# KiCad board C1581i.kicad_pcb (continued)
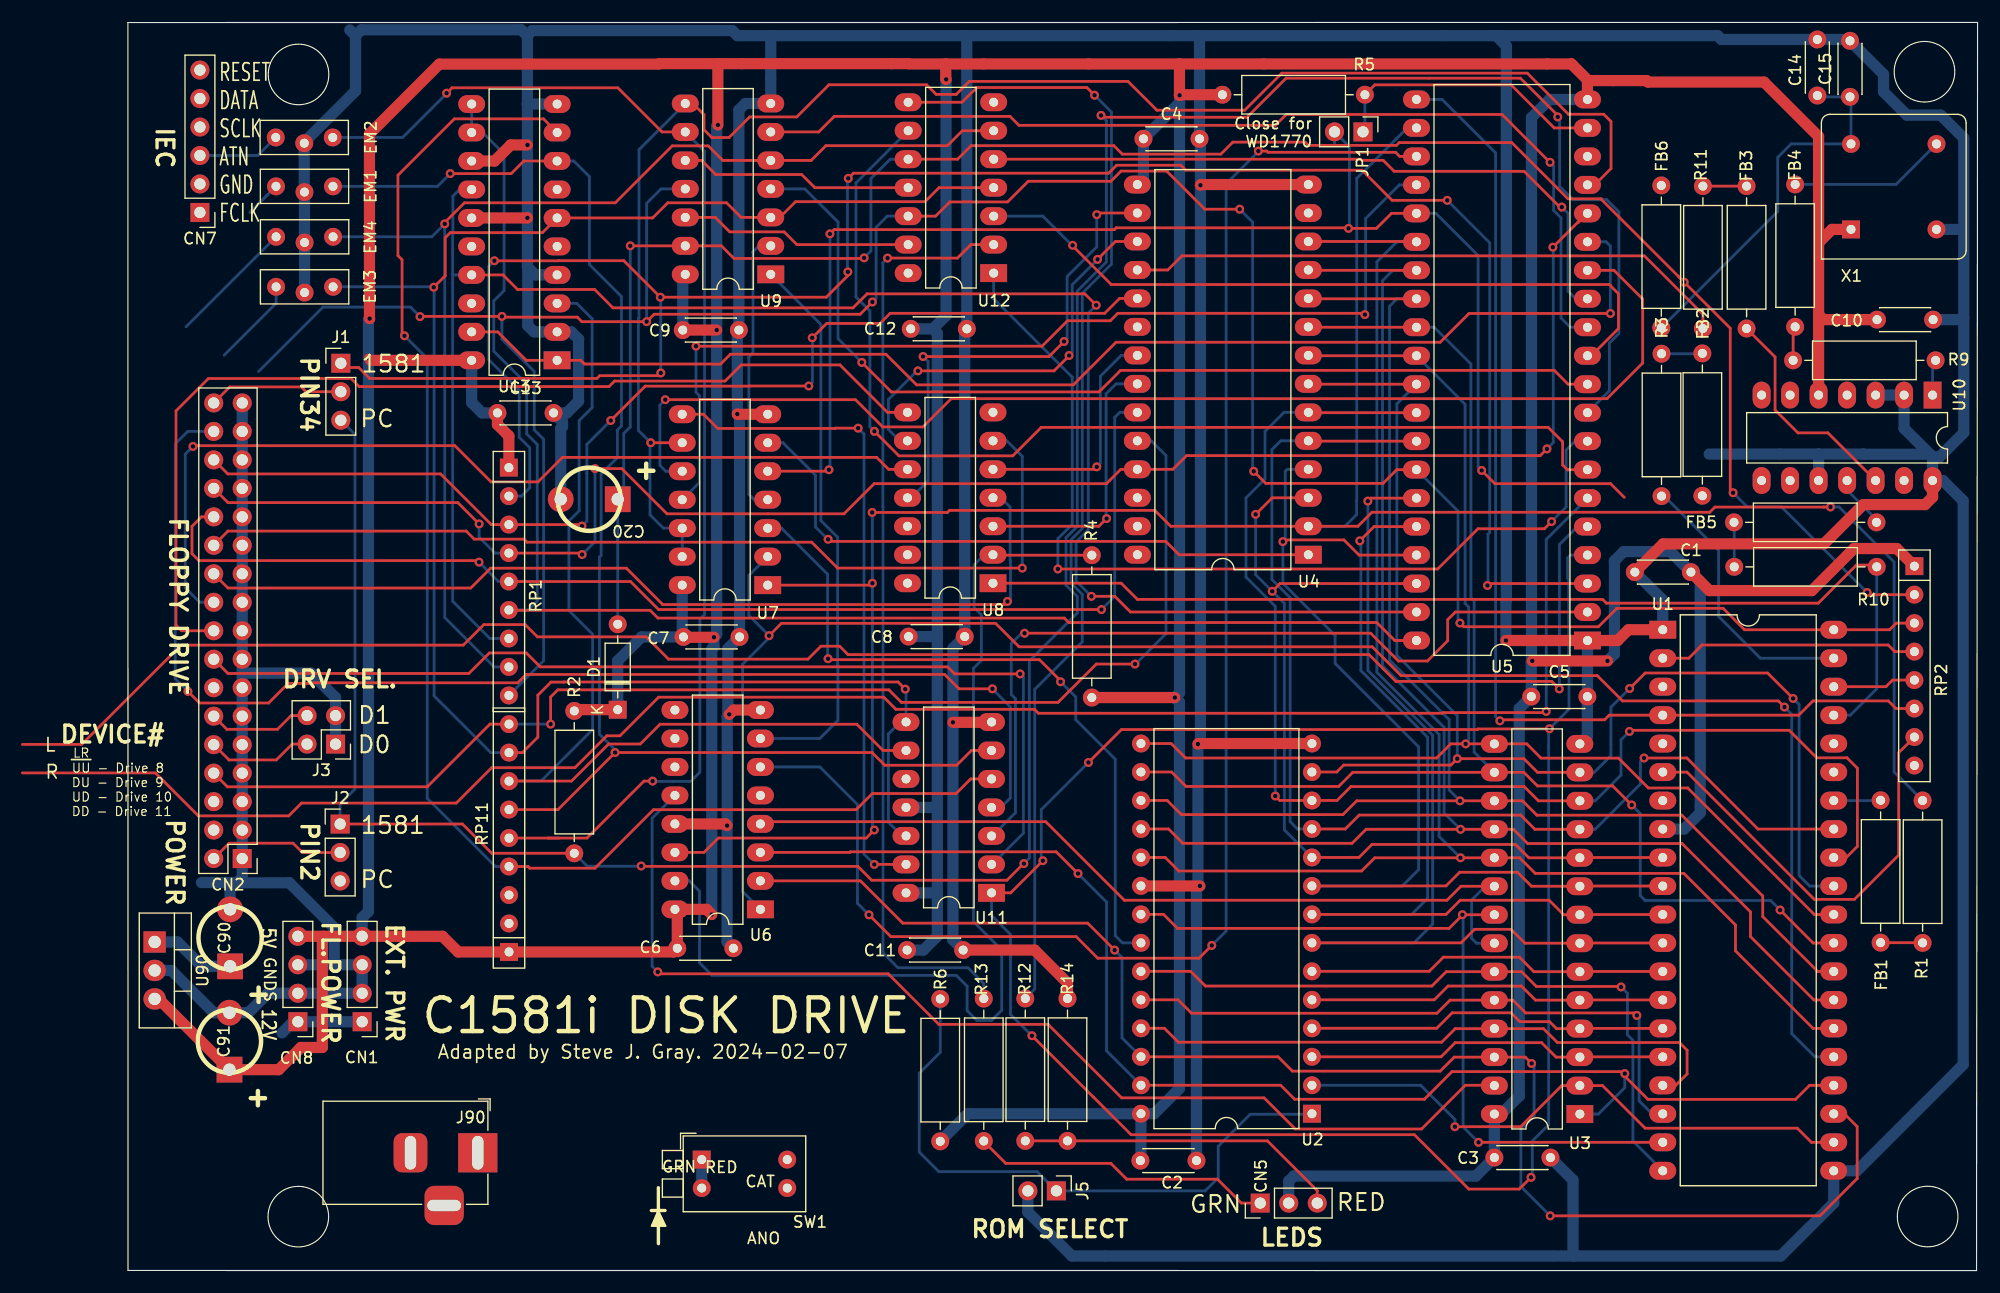
[diagram p0: board, top side]
## Routing (per net, layer and track width the routed paths; a pad name or vN(x,y) marks a point on that pad's centre or on a via; arc(x,y) is an arc through that point) (continued)
A0: length 83.4
  Top w0.25: v1(102,60.59) 102.69,61.28 U5.38 ; U4.3 102,68.93 v1(100.52,67.45) ; U1.9 129.44,36.84 U3.10 124.87,36.82 123.68,38.01 110.89,38.01 109.73,36.85 U2.10
  Bottom w0.25: U2.10 103.08,39.31 103.08,59.51 v1(102,60.59) 100.52,62.07 v1(100.52,67.45)
A1: length 97.7
  Top w0.25: U2.9 117.49,34.31 118.71,35.53 123.86,35.53 125.11,34.28 U3.9 129.44,34.3 U1.10 ; v1(102.95,65.02) 103.1,65.17 108.39,65.17 109.74,63.82 U5.37
  Bottom w0.25: U2.9 113.6,34.31 115.05,35.76 115.05,46.71 107.61,54.15 107.61,56.64 102.95,61.3 v1(102.95,65.02) 103.16,65.23 103.16,71.29 103.34,71.47 U4.4
A2: length 83.2
  Top w0.25: U5.36 111.08,66.36 v1(109.81,65.09) ; U1.11 129.44,31.76 U3.8 127.98,31.74 126.69,33.03 118.75,33.03 117.49,31.77 U2.8
  Bottom w0.25: v1(109.81,65.09) 109.9,65 109.9,53.52 115.85,47.57 115.85,33.2 114.42,31.77 U2.8
A3: length 88.3
  Top w0.25: U5.35 110.79,68.9 v1(110.52,68.63) ; U2.7 118.83,29.23 120.04,30.44 123.28,30.44 124.52,29.2 U3.7 129.44,29.22 U1.12
  Bottom w0.25: U2.7 114.63,29.23 116.3,30.9 116.3,47.75 110.53,53.52 110.53,68.62 v1(110.52,68.63)
A4: length 32.3
  Top w0.25: U1.13 129.44,26.68 U3.6 125.32,26.66 124.03,27.95 117.25,27.95 115.99,26.69 U2.6
A5: length 32.3
  Top w0.25: U2.5 116.44,24.15 117.67,25.38 124.21,25.38 125.47,24.12 U3.5 129.44,24.14 U1.14
A6: length 32.4
  Top w0.25: U1.15 129.44,21.6 U3.4 127.34,21.58 126.72,22.2 124.08,22.2 123.28,23 118.04,23 116.66,21.61 U2.4
A7: length 32.3
  Top w0.25: U1.16 129.44,19.06 U3.3 127.3,19.04 126.01,20.33 118.31,20.33 117.05,19.07 U2.3
A8: length 55.2
  Top w0.25: U2.25 92.39,21.61 93.63,20.37 117.1,20.37 118.31,21.58 U3.25 126.18,21.58 127.42,20.34 138.3,20.34 138.98,19.66 138.98,17.54 137.96,16.52 U1.17
A9: length 56
  Top w0.25: v1(134.5,22.76) 134.28,22.98 124.59,22.98 123.45,24.12 U3.24 117.85,24.12 116.68,22.95 94.81,22.95 93.61,24.15 U2.24
  Bottom w0.25: U1.18 135.86,13.98 134.7,15.14 134.7,22.56 v1(134.5,22.76)
A10: length 69.9
  Top w0.25: U2.21 92.31,31.77 93.56,30.52 117.76,30.52 118.95,31.71 v1(118.95,31.74) U3.21 ; v1(120.39,11.44) U1.19
  Bottom w0.25: v1(120.39,11.44) 119.01,12.82 119.01,31.68 v1(118.95,31.74)
A11: length 62.4
  Top w0.25: v1(133.09,25.3) 133.05,25.34 125.54,25.34 124.22,26.66 U3.23 117.51,26.66 116.23,25.38 96.04,25.38 94.73,26.69 U2.23
  Bottom w0.25: v1(133.09,25.3) 133.66,24.73 133.66,21.03 134.15,20.54 134.15,11.56 U1.20
A12: length 52
  Top w0.25: v1(118.29,12.84) 124.15,12.84 127.81,16.5 U3.2 131.44,16.5 135.24,12.7 148.8,12.7 150.06,11.44 U1.22
  Bottom w0.25: v1(118.29,12.84) 118.29,13.47 115.23,16.53 U2.2
A13: length 131.9
  Top w0.25: U1.23 153,13.98 154.14,12.84 154.14,8.21 150.81,4.88 v1(126.78,4.88) ; v1(125.12,18.47) 124.55,19.04 U3.26 118.22,19.04 116.97,17.79 103.8,17.79 102.52,19.07 U2.26 ; v1(87.95,28.58) 85.55,30.99 69.07,30.99 65.3,34.76 U6.2
  Bottom w0.25: v1(126.78,4.88) 124.16,7.5 124.16,12.61 125.34,13.79 125.34,18.25 v1(125.12,18.47) ; U2.26 88.61,20.76 88.61,27.93 v1(87.95,28.58)
A14: length 121.6
  Top w0.25: U6.3 64.34,37.3 64.4,37.36 82.73,37.36 84.68,35.41 v1(84.69,35.41) ; U2.27 102.75,16.53 104,15.28 115.56,15.28 118.03,17.75 133.25,17.75 v1(133.43,17.57) 133.43,17.33 135.49,15.27 148.64,15.27 149.89,16.52 U1.24
  Bottom w0.25: v1(84.69,35.41) 87.23,32.87 87.23,19.6 U2.27 ; U3.1 131.07,13.96 133.43,16.32 v1(133.43,17.57)
A15: length 162.6
  Top w0.25: v1(57.15,56.63) 58.25,57.73 77.34,57.73 79.43,55.64 110.91,55.64 113.48,53.07 130.97,53.07 133.23,50.81 147.11,50.81 v1(147.66,50.26)
  Bottom w0.25: U7.2 55.34,62 55.34,58.45 57.15,56.64 v1(57.15,56.63) 57.15,56.44 54.79,54.09 54.79,33.81 U6.1 ; v1(147.66,50.26) 148.31,49.61 148.31,21.13 150.38,19.06 U1.25
ACTLED: length 84.7
  Top w0.25: v1(82.9,62.58) 116.75,62.58 120.34,66.17 126.26,66.17 v1(126.9,66.81)
  Bottom w0.25: v1(126.9,66.81) 126.9,66.82 128.2,68.12 128.2,73.19 128.99,73.98 U5.8 ; v1(82.9,62.58) 82.9,65.28 84.17,66.56 84.17,79.69 77.17,86.69 U12.1
ATN_ACK: length 110.4
  Top w0.25: U5.14 132.46,89.22 135.02,86.66 135.02,80.95 131.84,77.77 73.39,77.77 70.87,75.25 67.28,75.25 64.85,77.68 v1(47.9,77.68)
  Bottom w0.25: U7.10 47.94,71.3 47.42,71.82 47.42,77.2 v1(47.9,77.68)
ATN_IN: length 146.1
  Top w0.25: v1(46.6,73.84) U7.9 ; U5.17 130.74,96.84 132.2,98.3 132.2,102.49 131.55,103.14 128.4,103.14 124.73,106.81 102.85,106.81 99.55,103.5 91.72,103.5 89.15,106.07 74.99,106.07 73.83,104.91 72.05,104.91 71.19,105.77 62.49,105.77 59.62,102.9 55.42,102.9 53.58,101.06 52.05,101.06 51.35,101.76 51.35,103.1 50.35,104.1 U9.8
  Bottom w0.25: U7.13 U7.12 47.73,66.22 46.54,67.41 46.54,73.78 v1(46.6,73.84) 45.5,74.94 45.5,84.93 45.56,84.99 45.56,99.98 U9.8
CLK_IN: length 89.5
  Top w0.25: U9.6 61.57,101.56 62.96,102.95 78.63,102.95 79.43,102.15 102.28,102.15 103.25,103.12 122.48,103.12 126.75,98.86 v1(126.76,98.86)
  Bottom w0.25: U5.12 128.57,84.14 127.74,84.97 127.74,93.9 127.09,94.56 127.09,98.54 v1(126.76,98.86)
CLK_OUT: length 62.2
  Top w0.25: v1(127.81,94.86) 127.64,94.86 124.45,98.05 112.87,98.05 111.89,99.03 109.99,99.03 109.89,99.13 U12.5
  Bottom w0.25: v1(127.81,94.86) 128.37,94.3 128.37,87.36 129.05,86.68 U5.13
CNT: length 133
  Top w0.25: U5.40 112.92,56.2 111.32,57.8 83.87,57.8 83.47,58.2 47.24,58.2 46.55,58.89 33.99,58.89 RP1.6
  Bottom w0.25: RP1.6 35.69,58.92 36.49,59.72 36.49,73.68 35.55,74.62 35.55,79.07 32.61,82.01 32.61,86.5 33.53,87.41 33.53,99.59 31.61,101.51 U13.12 U13.11
D0: length 103.3
  Top w0.25: U2.11 108.51,39.39 109.75,40.63 124.14,40.63 125.41,39.36 U3.11 ; v1(135.14,45.72) 138.96,45.72 145.3,39.38 U1.33 ; U4.5 105.25,73.98 U5.33
  Bottom w0.25: U3.11 130.78,39.36 134.82,43.4 134.82,45.4 v1(135.14,45.72) ; U4.5 102.76,74.01 101.97,73.22 101.97,61.64 103.6,60.01 103.6,40.04 104.25,39.39 U2.11
D1: length 117
  Top w0.25: U5.32 105.25,76.52 U4.6 ; U1.32 153.16,36.84 154.16,37.84 154.16,44.81 153.23,45.74 150.53,45.74 148.08,48.19 133.94,48.19 v1(133.84,48.09) ; U3.12 125.73,41.9 124.46,43.17 109.01,43.17 107.77,41.93 U2.12 102.67,41.93 v1(102.27,42.33)
  Bottom w0.25: v1(102.27,42.33) 102.27,59.25 99.66,61.86 99.66,68.92 101.36,70.62 101.36,74.86 103.05,76.55 U4.6 ; v1(133.84,48.09) 133.09,47.34 133.09,44.2 130.79,41.9 U3.12
D2: length 116.5
  Top w0.25: v1(148.43,51.03) 146.16,53.3 135.24,53.3 v1(133.86,51.92) ; U3.13 125.65,44.44 124.43,45.66 v1(118.5,45.66) 117.93,45.09 108.37,45.09 107.75,44.47 U2.13 ; U4.7 105.25,79.06 U5.31
  Bottom w0.25: U3.13 130.7,44.44 132.19,45.93 132.19,50.25 v1(133.86,51.92) ; U5.31 113.11,77.31 113.11,54.88 118.5,49.49 v1(118.5,45.66) ; v1(148.43,51.03) 148.97,50.49 148.97,35.23 149.9,34.3 U1.31
D3: length 115.4
  Top w0.25: U5.30 105.25,81.6 U4.8 ; U1.30 150.32,31.76 139.03,43.05 135.53,43.05 132.86,45.71 125.96,45.71 124.69,46.98 U3.15 v1(119.24,46.98) 117.91,46.98 116.65,45.72 94.28,45.72 92.99,47.01 U2.15
  Bottom w0.25: v1(119.24,46.98) 119.51,47.25 119.51,59.19 119.19,59.51 119.19,77.27 U5.30
D4: length 126.9
  Top w0.25: v1(134.04,41.53) 132.34,43.23 125.64,43.23 124.43,44.44 U3.16 109.18,44.44 107.92,43.18 94.32,43.18 93.03,44.47 U2.16 ; U1.29 150.21,29.22 v1(147.27,32.16) ; U5.29 105.25,84.14 U4.9
  Bottom w0.25: 143.41,33.01 146.42,33.01 v1(147.27,32.16) ; 143.41,33.01 143.8,33.01 ; 143.41,33.01 135.24,33.01 134.8,33.45 134.8,40.77 v1(134.04,41.53) ; U5.29 116.43,84.14 119.71,80.86 119.71,60.04 120,59.75 120,46.24 U3.16
D5: length 129.2
  Top w0.25: U4.10 105.25,86.68 U5.28 ; U1.28 150.62,26.68 145.72,31.58 145.72,33.41 138.51,40.62 125.59,40.62 124.31,41.9 U3.17 v1(118.74,41.9) 109.53,41.9 108.3,40.67 93.9,40.67 92.64,41.93 U2.17
  Bottom w0.25: U5.28 113.12,86.68 112.46,86.02 112.46,54.45 117.77,49.14 117.77,42.87 v1(118.74,41.9)
D6: length 135.3
  Top w0.25: U2.18 92.76,39.39 94.04,38.11 109.11,38.11 110.36,39.36 v1(118.78,39.36) U3.18 123.5,39.36 124.77,38.09 138.53,38.09 144.63,31.99 144.63,29.79 150.28,24.14 U1.27 ; U4.11 105.25,89.22 U5.27
  Bottom w0.25: v1(118.78,39.36) 117.32,40.82 117.32,48.45 111.83,53.94 111.83,88.29 112.76,89.22 U5.27
D7: length 140.6
  Top w0.25: U5.26 114.83,91.79 U4.12 105.25,91.76 ; U1.26 150.21,21.6 143.29,28.52 143.29,30.83 138.69,35.43 125.44,35.43 124.05,36.82 U3.19 v1(118.78,36.82) 111.14,36.82 109.96,35.64 93.67,35.64 92.46,36.85 U2.19
  Bottom w0.25: U5.26 113.11,91.76 111.33,89.98 111.33,53.36 116.87,47.82 116.87,38.73 v1(118.78,36.82)
DATA: length 166.2
  Top w0.25: v1(27.26,87.71) 28.29,88.74 28.29,92.13 28.74,92.58 36.95,92.58 U13.6 46.77,93.89 48.12,95.24 53.36,95.24 54.66,93.94 U9.3 58.11,93.94 59.51,95.34 71.05,95.34 72.3,96.59 U12.4 ; RP11.8 35.16,46.2 36.54,47.58 36.54,51.32 37.71,52.49 38.86,52.49 38.87,52.5 68.65,52.5 v1(69.29,51.86)
  Bottom w0.25: RP11.8 32.35,46.2 27.29,51.26 27.29,87.68 v1(27.26,87.71) 27.22,87.75 EM3.1 ; U11.12 69,38.77 67.78,39.99 67.78,47.82 67.76,47.84 68.85,48.93 U11.8 69.36,51.79 v1(69.29,51.86)
DATA_IN: length 87.7
  Top w0.25: v1(65.42,81.01) 68.05,78.37 86.56,78.37 88.48,80.29 127.14,80.29 128.37,79.06 U5.10
  Bottom w0.25: v1(65.42,81.01) 63.3,83.12 63.3,93.52 60.34,96.48 U9.4
DATA_OUT: length 65.5
  Top w0.25: v1(84.21,91.45) 84.21,91.39 87.65,87.95 132.04,87.95 132.87,87.12 132.87,84.03 130.44,81.6 U5.11
  Bottom w0.25: U12.3 81.55,94.05 84.15,91.45 v1(84.21,91.45)
DIRECTION: length 91.9
  Top w0.25: CN2.18 4.79,57.07 4.29,57.57 4.29,76.68 7.17,79.57 19.89,79.57 20.61,78.85 42.88,78.85 43.37,79.34 53.23,79.34 54.67,80.78 63.47,80.78 67.7,76.55 U8.8
FAST_CLK: length 124.5
  Top w0.25: v1(28.73,97.84) 34.16,97.84 35.29,98.97 U13.8 ; U11.6 75.19,46.39 73.87,45.07 67.47,45.07 66.33,46.21 v1(43.43,46.21) 38.34,41.12 RP11.6
  Bottom w0.25: v1(28.73,97.84) 27.59,96.71 EM1.1 ; U13.8 39.74,98.97 41.14,97.57 41.14,89.73 44,86.88 44,75.34 43.61,74.95 43.63,74.93 43.63,72.51 42.19,71.07 42.19,63.79 42.03,63.63 42.03,47.84 43.43,46.44 v1(43.43,46.21)
FAST_SER_DIR: length 115
  Top w0.25: U13.19 32.97,83.73 35.51,81.19 U13.1 40.36,81.19 40.69,80.86 52.83,80.86 53.7,81.73 67.57,81.73 70.3,79 84.27,79 88.07,82.8 116.97,82.8 119.54,85.37 v1(132.14,85.37)
  Bottom w0.25: v1(132.14,85.37) 132.14,91.38 131.76,91.76 U5.15
FD_PIN2: length 12.2
  Top w0.25: J2.2 15.55,37.29 14.72,38.12 11.2,38.12 11.19,38.12 9.02,38.12 CN2.2
FD_PIN34: length 12.1
  Top w0.25: J1.2 15.88,78.39 15.45,78.82 9.08,78.82 CN2.34
FDC_CLOCK: length 54.4
  Top w0.25: R11.2 140.39,85.29 135.17,90.51 93.95,90.51 92.69,89.25 U4.18
GREEN_LED: length 27
  Top w0.25: CN5.1 99.25,6.02 97.12,8.15 89.03,8.15 87.62,9.56 78.25,9.56 76.25,11.56
INDEX: length 112.4
  Top w0.25: CN2.8 8.87,43.15 26.68,43.15 32.27,48.74 RP11.9 ; v1(37.68,48.74) 37.68,51.16 38.32,51.8 67.83,51.8 68.95,50.68 82.9,50.68 86.32,54.1 v1(89.77,54.1)
  Bottom w0.25: U4.24 91.22,74.01 92.53,72.7 92.53,56.81 89.82,54.1 v1(89.77,54.1) ; v1(37.68,48.74) RP11.9
MOTOREN: length 92.3
  Top w0.25: CN2.16 8.92,53.26 30.39,53.26 32.22,55.09 35.51,55.09 36.75,53.85 73.06,53.85 73.69,53.22 v1(79.53,53.22)
  Bottom w0.25: U11.2 77.04,36.23 79.82,39.01 79.82,52.93 v1(79.53,53.22)
PHI0: length 96.6
  Top w0.25: U8.1 88.54,61.31 89.98,59.87 131.46,59.87 131.79,59.53 150.67,59.53 154.07,62.93 155.93,62.93
  Bottom w0.25: U1.37 153.53,49.54 155.88,51.89 R10.1
PHI2: length 130.9
  Top w0.25: v1(120.67,71.37) 121.85,70.19 132.16,70.19 133.38,68.97 ; v1(62.58,92.47) 62.96,92.85 87.93,92.85 88.09,93.01 108.76,93.01 v1(108.81,92.96) 111.29,92.96 112.63,94.3 U5.25 ; U7.5 62.36,71.3 v1(62.49,71.43)
  Bottom w0.25: 107.55,100.56 JP1.2 108.88,100.24 108.88,93.03 v1(108.81,92.96) ; v1(62.49,71.43) 62.58,71.52 62.58,92.47 v1(62.58,92.47) ; v1(120.67,71.37) 120.35,71.69 120.35,90.54 116.59,94.3 U5.25 115.81,94.3
POWERLED: length 97.7
  Top w0.25: U5.7 128.36,71.44 128.33,71.41 127.88,71.86 127.88,73.93 126.6,75.21 81.41,75.21 78.87,72.67 68.73,72.67 v1(66.54,74.86)
  Bottom w0.25: U12.9 64.9,97.02 64.9,86.84 66.14,85.6 66.14,75.26 v1(66.54,74.86)
R/~{W}: length 215.1
  Top w0.25: v1(151.76,68.11) 151.17,68.11 151.16,68.1 141.46,68.1 141,67.64 110.89,67.64 109.64,66.39 U4.2 92.95,66.39 91.53,67.81 73.23,67.81 73.05,67.62 v1(66.34,67.62) ; U7.1 66.19,61.14 v1(66.36,61.31) ; v1(66.53,39.3) 65.81,38.58 52.63,38.58 51.35,37.3 U6.14
  Bottom w0.25: v1(66.53,39.3) 66.36,39.47 v1(66.36,61.31) 66.36,67.6 v1(66.34,67.62) ; R1.2 157.43,44.47 157.43,63.2 152.52,68.11 v1(151.76,68.11) ; U4.2 108.48,66.39 109.53,67.44 109.53,68.66 109.53,68.67 109.53,97.42 114.03,101.92 U5.22
RDY: length 23.2
  Top w0.25: U1.2 139.13,54.62 140.31,55.8 156.9,55.8 157.49,55.21 RP2.4
READDATA: length 99.5
  Top w0.25: v1(61,83.2) 62.28,84.48 67.04,84.48 67.94,85.38 87.06,85.38 88.39,86.71 U4.19 ; CN2.30 8.9,71.06 27.87,71.06 32.39,66.54 RP1.3 40.34,66.54 v1(40.47,66.41) ; v1(43.04,75.82) 46.11,78.89 55.36,78.89 55.37,78.9 v1(60.69,78.9)
  Bottom w0.25: v1(61,83.2) 61.02,83.18 61.02,79.23 v1(60.69,78.9) ; v1(43.04,75.82) 40.91,73.69 40.91,71.1 40.91,71.1 40.91,66.85 v1(40.47,66.41)
RED_LED: length 29
  Top w0.25: CN5.3 106.01,7.13 101.57,11.57 R14.1 R12.1
S0: length 7.4
  Top w0.25: U1.38 156.7,52.08 157.29,52.67 RP2.5
SELECT0: length 9.5
  Top w0.25: CN2.10 9.02,45.55 13.22,45.55 14.64,46.96 J3.2
SELECT1: length 9.3
  Top w0.25: CN2.12 8.83,48.28 13.33,48.28 14.55,49.5 J3.4
SIDE0: length 73.9
  Top w0.25: v1(79.92,56.85) 110.77,56.85 113.25,54.37 115.83,54.37 117.64,56.18 117.64,58.06 118.32,58.74 U5.2
  Bottom w0.25: U11.3 77.04,38.77 79.11,40.84 79.11,51.01 78.74,51.38 78.74,55.93 79.66,56.85 v1(79.92,56.85)
SIDESELECT: length 112.6
  Top w0.25: v1(77.06,51.89) 74.08,51.89 72.8,53.17 35.49,53.17 34.75,52.43 16.22,52.43 16.17,52.37 14.29,52.37 12.55,50.63 6.39,50.63 v1(5.35,51.66)
  Bottom w0.25: U11.4 77.81,41.31 78.66,42.16 78.66,50.27 77.06,51.87 v1(77.06,51.89) ; CN2.32 5.33,74.85 4.22,73.74 4.22,52.79 v1(5.35,51.66)
SLOW_CLK: length 106.6
  Top w0.25: v1(28.24,93.36) 28.24,93.48 30,95.24 43.44,95.24 48.52,100.32 51.73,100.32 53.03,99.02 U9.5 60.9,99.02 62.22,100.34 73.05,100.34 74.38,101.67 U12.6
  Bottom w0.25: EM4.1 27.09,92.21 v1(28.24,93.36) 28.24,58.25 32.65,53.84 RP1.8
SP: length 160.8
  Top w0.25: U5.39 89.37,58.74 87.97,60.14 v1(85.88,60.14) ; U13.17 33.43,88.81 34.73,87.51 41.6,87.51 43.24,85.87 64.63,85.87 65.88,87.12 85.29,87.12 v1(86.31,86.1)
  Bottom w0.25: v1(85.88,60.14) 84.52,61.5 84.52,65 85.6,66.08 85.6,85.39 v1(86.31,86.1) ; RP1.7 32.27,56.38 28.95,59.7 28.95,88.86 ; 28.95,88.86 29,88.81 U13.17 ; 28.95,88.86 28.95,92.44 28.97,92.46 28.97,95.84 29.56,96.43 U13.14
STEP: length 82.4
  Top w0.25: v1(5.8,73.51) 5.87,73.58 29.14,73.58 32.37,70.35 36.56,70.35 38.74,72.53 66.74,72.53 67.8,71.47 U8.10
  Bottom w0.25: CN2.20 6.4,59.61 5.11,60.9 5.11,72.82 v1(5.8,73.51)
TRACK00: length 107.7
  Top w0.25: v1(86.78,58.96) 47.3,58.96 44.8,61.46 RP1.5 ; v1(31.3,63.19) 31.16,63.33 6.33,63.33 5.71,63.94 5.71,66.38 6.56,67.23 CN2.26
  Bottom w0.25: U4.23 88.41,76.55 87.96,76.1 87.96,60.14 v1(86.78,58.96) ; RP1.5 33.03,61.46 v1(31.3,63.19)
WRITEDATA: length 83.9
  Top w0.25: v1(78.4,59.68) 78.13,59.41 47.67,59.41 44.43,62.65 32.33,62.65 30.56,60.88 8.92,60.88 CN2.22
  Bottom w0.25: U8.4 77.81,68.93 78.63,68.11 78.63,63.37 78.67,63.33 78.67,59.95 v1(78.4,59.68)
WRITEGATE: length 87.1
  Top w0.25: v1(79.72,62.66) 63.26,62.66 60.95,64.97 35.58,64.97 35.31,65.24 30.87,65.24 30.15,65.96 8.92,65.96 CN2.24
  Bottom w0.25: U8.6 78.34,74.01 79.72,72.63 v1(79.72,62.66)
WRITEPROTECT: length 155.6
  Top w0.25: CN2.28 8.92,68.5 29.41,68.5 v1(31.31,66.6) ; v1(126.49,73.29) 125.89,72.69 94.36,72.69 93.14,71.47 U4.25 88.5,71.47 87.22,70.19 66.52,70.19 63.83,67.5 48.05,67.5 44.02,71.53 v1(41.63,71.53) ; RP1.4 40.36,64 v1(40.49,63.87) ; U5.16 129.31,93.51 129.25,93.51 v1(127.02,91.28)
  Bottom w0.25: v1(127.02,91.28) 127.05,91.25 127.05,73.85 v1(126.49,73.29) ; RP1.4 32.72,64 31.31,65.41 v1(31.31,66.6) ; v1(41.63,71.53) 41.63,65.01 v1(40.49,63.87)
~{ATN}: length 113.6
  Top w0.25: 37.47,38.58 RP11.5 ; 37.47,38.58 38.46,38.58 ; 37.47,38.58 40.92,38.58 46,43.66 v1(46.77,43.66) ; U9.9 47.61,101.56 43.67,105.5 28.89,105.5 v1(28.41,105.02)
  Bottom w0.25: 50.98,55.86 50.98,44.45 50.16,43.63 46.8,43.63 v1(46.77,43.66) ; 50.98,55.86 50.98,58.11 51.4,58.53 51.4,99.84 U9.9 ; 50.98,55.86 50.98,55.6 ; EM2.1 24.49,101.07 28.41,104.99 v1(28.41,105.02)
~{CIA_SEL}: length 139.8
  Top w0.25: U5.23 113.36,99.38 113,99.74 101.63,99.74 101.52,99.85 v1(100.76,99.85) ; v1(96.61,29) 95.47,27.86 86.45,27.86 84.52,29.79 68,29.79 v1(66.06,31.73)
  Bottom w0.25: v1(96.61,29) 97.89,30.28 97.89,96.94 100.76,99.81 v1(100.76,99.85) ; v1(66.06,31.73) 65.03,32.76 65.03,41.57 61.68,44.92 U6.6
~{DISKCHANGE}: length 246.8
  Top w0.25: R2.2 32.43,37.22 29.82,39.83 J2.1 ; v1(86.74,103.04) 86.91,102.87 99.75,102.87 103.23,106.36 124.12,106.36 127.45,103.03 v1(127.45,102.9) ; v1(45.75,36.09) 45.79,36.05 65.07,36.05 66.31,34.82 78.35,34.82 79.83,36.3 v1(79.86,36.3)
  Bottom w0.25: v1(86.74,103.04) 87.22,102.56 87.22,89.96 84.62,87.36 84.62,66.37 83.62,65.37 83.62,61.13 84.62,60.13 84.62,58.65 80.35,54.38 80.35,36.79 v1(79.86,36.3) ; U5.9 132.05,78.47 132.05,82.73 132.9,83.58 132.9,94.43 131.81,95.52 128.81,95.52 127.62,96.71 127.62,102.73 v1(127.45,102.9) ; R2.2 40.94,36.07 45.73,36.07 v1(45.75,36.09) ; J2.1 18.92,41.63 20.24,42.95 20.24,74.59 J1.3
~{FLAG}: length 89.8
  Top w0.25: v1(50.64,82.45) 81.48,82.45 83.75,84.72 87.57,84.72 88.23,85.38 110.15,85.38 v1(110.26,85.27)
  Bottom w0.25: U5.24 113.33,96.84 110.33,93.84 110.33,85.34 v1(110.26,85.27) ; v1(50.64,82.45) 50.64,78.34 50.94,78.05 50.94,72.54 50.85,72.45 50.94,72.37 50.94,70.29 U7.11
~{IRQ}: length 97.8
  Top w0.25: v1(122.29,49.03) 122.39,49.13 131.63,49.13 132.04,49.54 U1.4 148.93,49.54 150.2,50.81 156.92,50.81 157.6,50.13 RP2.6
  Bottom w0.25: v1(122.29,49.03) 121.91,49.41 121.91,99.69 117.14,104.46 U5.21
~{MOTOR}: length 182.4
  Top w0.25: v1(125.07,8.32) 124.02,7.27 119.52,7.27 114.67,12.12 89.42,12.12 86.08,15.46 86.07,15.46 v1(80.58,20.95) ; v1(85.62,45.32) 88.56,48.26 120.3,48.26 120.35,48.31 126.69,48.31 v1(126.71,48.33) ; U11.1 78.68,33.69 v1(81.55,36.56)
  Bottom w0.25: 126.64,46.58 126.64,13.01 125.18,11.55 125.18,8.43 v1(125.07,8.32) ; 126.64,46.58 126.64,48.26 v1(126.71,48.33) 128.45,50.07 128.45,53.98 128.43,54.01 128.43,61.66 128.33,61.75 128.33,63.56 128.59,63.82 U5.4 ; 126.64,46.58 126.64,46.92 ; v1(85.62,45.32) 81.41,41.11 81.41,36.7 v1(81.55,36.56) ; U11.1 76.98,31.67 78.67,29.98 78.67,22.85 80.57,20.95 v1(80.58,20.95)
~{NMI}: length 38.5
  Top w0.25: RP2.7 157.84,46.19 157.84,37.06 153.89,33.11 150.32,33.11 138.97,44.46 U1.6
~{RAM_OE}: length 77.1
  Top w0.25: U3.20 118.82,34.28 117.57,33.03 88.82,33.03 81.81,40.04 56.58,40.04 U6.4
  Bottom w0.25: U3.20 121,34.28 119.77,33.05 119.77,29.64 120.21,29.2 U3.22
~{RAMWE}: length 98.8
  Top w0.25: v1(47.23,26.64) 47.3,26.64 47.47,26.47 67.77,26.47 72.28,21.96 82.02,21.96 88.57,15.41 101.28,15.41 104.05,12.63 115.31,12.63 119.21,16.53 121.77,16.53 U3.27
  Bottom w0.25: v1(47.23,26.64) 46.73,27.14 46.73,40.35 U6.12
~{RDY}: length 202.9
  Top w0.25: U5.3 121.36,61.28 v1(121.19,61.11) ; v1(64.17,89.08) 64.17,88.74 62.25,86.82 v1(47.46,86.82) 44.2,90.08 38.4,90.08 38.39,90.07 v1(32.67,90.07) ; v1(64.21,97.42) 64.67,97.88 87.41,97.88 88.12,98.59 93.85,98.59 94.29,98.15 110,98.15 112.69,95.46 v1(117.6,95.46) ; v1(47.5,80.06) 47.52,80.04 47.52,79.82 42.05,79.82 41.8,79.57 21.55,79.57 20.57,80.55 19.36,80.55 J1.1
  Bottom w0.25: v1(64.21,97.42) 64.14,97.35 64.14,89.11 v1(64.17,89.08) ; v1(47.46,86.82) 47.5,86.78 v1(47.5,80.06) ; v1(117.6,95.46) 121.39,91.67 121.39,65.84 121.23,65.68 121.23,61.15 v1(121.19,61.11) ; v1(32.67,90.07) 32.16,89.57 32.16,81.25 34.88,78.53 34.88,74.33 35.82,73.39 35.82,69.82 35.08,69.08 RP1.2
~{RESET}: length 249.2
  Top w0.25: v1(26.04,85.09) 26.06,85.11 v1(33.34,85.11) 33.41,85.04 40.06,85.04 40.46,84.64 v1(46.24,84.64) 46.9,85.3 65.27,85.3 v1(66.37,86.4) ; U5.34 113.1,71.44 111.87,70.21 101.43,70.21 v1(100.35,71.29) ; v1(118.73,57.76) 119.06,57.43 131.08,57.43 132.72,59.07 142.19,59.07 144.1,57.16 U1.40 157.03,57.16 157.62,57.75 RP2.3 ; U12.12 71.99,94.05 73.26,95.32 78.41,95.32 80.25,97.16 87.62,97.16 88.53,98.07 92.59,98.07 95.99,94.67 v1(99.1,94.67)
  Bottom w0.25: v1(118.73,57.76) 118.56,57.93 118.56,67.74 U5.34 ; 11.65,80.2 17.39,85.94 25.19,85.94 v1(26.04,85.09) ; v1(100.35,71.29) 100.25,71.39 100.25,93.52 v1(99.1,94.67) ; U9.11 47.52,96.48 46.24,95.2 v1(46.24,84.64) ; U12.12 67.69,94.05 66.69,93.05 66.69,86.72 v1(66.37,86.4) ; RP1.9 37.06,54.4 37.06,74.15 36.22,74.99 36.22,80.2 33.34,83.08 v1(33.34,85.11)
~{ROM_OE}: length 63.4
  Top w0.25: v1(62.41,54.57) 62.49,54.49 81.25,54.49 83.13,52.61 v1(83.13,52.52)
  Bottom w0.25: U7.3 58.26,66.22 62.37,62.11 62.37,54.61 v1(62.41,54.57) ; v1(83.13,52.52) 84.49,51.16 84.49,49.13 88.01,45.61 88.01,29.87 88.65,29.23 U2.22
~{WD_CS}: length 55
  Top w0.25: U4.1 93.7,63.85 92.51,65.04 62.61,65.04 v1(62.42,65.23)
  Bottom w0.25: v1(62.42,65.23) 62.38,65.23 61.29,66.32 61.29,70.94 58.39,73.84 U7.6
~{WDSEL}: length 49.8
  Bottom w0.25: U6.7 61.67,47.46 63.29,49.08 63.29,54.01 63.26,54.04 63.26,65.41 61.76,66.91 61.76,71.73 61.77,71.74 61.77,84.39 U9.1
Net-(CN7-Pin_1): length 5.5
  Bottom w0.25: 12.47,95.97 10.87,94.38 ; 12.47,95.97 EM1.3 ; 12.47,95.97 10.92,94.43
Net-(CN7-Pin_3): length 11.4
  Bottom w0.25: 11.57,99.46 EM2.3 ; 11.57,99.46 7.56,99.46 ; 11.57,99.46 CN7.3
Net-(CN7-Pin_4): length 11.4
  Bottom w0.25: EM4.3 11.32,90.32 11.32,90.32 5.18,84.18
Net-(CN7-Pin_5): length 8
  Bottom w0.25: 8.58,81.65 13.21,86.28 EM3.3
Net-(D1-A): length 184
  Top w0.25: v1(44.78,91.4) U9.13 52.9,91.4 54.03,90.28 65.56,90.28 v1(65.62,90.33) ; 138.21,88.67 131.32,95.56 131.32,95.6 128.36,95.6 123.35,100.61 113.32,100.61 113.07,100.36 105.23,100.36 104.94,100.65 98.49,100.65 97.42,99.58 88.64,99.58 87.88,100.34 75.16,100.34 73.95,99.13 U12.10 ; 138.21,88.67 142.83,84.05 142.83,69.63 v1(143.08,69.38) ; 138.21,88.67 v1(138.72,88.16) ; v1(155.03,60.48) 155.22,60.29 RP2.2
  Bottom w0.25: v1(44.78,91.4) 44.78,75.25 44.2,74.67 44.2,69.34 C20.1 D1.2 ; U12.10 67.95,99.13 66.23,97.41 66.23,90.94 v1(65.62,90.33) ; v1(143.08,69.38) 144.35,68.11 147.4,68.11 v1(155.03,60.48)
Net-(FB1-Pad1): length 3.7
  Top w0.25: FB1.1 159.95,29.25 R1.1
Net-(FB2-Pad1): length 3.7
  Bottom w0.25: FB2.1 140.31,81.78 R3.1 ; 136.99,81.67 137.02,81.7
Net-(FB3-Pad2): length 3.9
  Top w0.25: R11.1 FB3.2
Net-(FB4-Pad2): length 3.1
  Top w0.25: FB4.2 148.43,84 R9.2
Net-(FB5-Pad1): length 4
  Bottom w0.25: FB5.1 143.18,66.72 R10.2
Net-(J5-Pin_1): length 55.4
  Bottom w0.25: U2.1 105.49,13.94 100.04,13.94 97.19,11.09 97.19,8.28 96.02,7.11 J5.1 81.04,8.83 72.28,8.83 70.54,10.57 70.54,17.6 72.41,19.47 R6.2
Net-(JP1-A): length 25.2
  Top w0.25: R5.1 111.14,105.76 123.29,105.76 127.13,101.92 U5.19
  Bottom w0.25: R5.1 110.26,101.74 JP1.1
Net-(R12-Pad2): length 102.6
  Top w0.25: U12.8 74.35,104.21 75.66,105.52 85.48,105.52 v1(86.16,104.84)
  Bottom w0.25: v1(86.16,104.84) 87.67,103.33 87.67,89.78 85.07,87.18 85.07,66.19 84.07,65.19 84.07,61.31 85.07,60.31 85.07,56.08 80.83,51.84 80.83,25.11 R12.2
Net-(R13-Pad1): length 83.6
  Top w0.25: U12.2 75.14,91.51 73.94,90.31 v1(67.71,90.31)
  Bottom w0.25: R13.1 76.29,25.6 74.88,27.01 68.64,27.01 67.31,28.34 67.31,68.14 67.29,68.16 67.29,89.89 v1(67.71,90.31)
Net-(RP11C-R3.2): length 129.6
  Top w0.25: RP11.4 35.66,36.04 35.81,35.89 41.63,35.89 46.85,41.11 64.92,41.11 66.36,42.55 73.82,42.55 75.12,43.85 U11.5 ; v1(24.65,83.38) 24.44,83.59 24.44,90.16 24.07,90.53 24.07,97.7 29.1,102.73 37.04,102.73 U13.9
  Bottom w0.25: RP11.4 32.76,36.04 26.68,42.12 26.68,81.35 v1(24.65,83.38)
Net-(RP11F-R6.2): length 89.9
  Top w0.25: U11.9 67.31,46.39 64.97,48.73 47.43,48.73 45.67,46.97 42.85,46.97 39.54,43.66 RP11.7
  Bottom w0.25: U13.3 40.01,86.27 41.38,84.9 41.38,76.98 40.22,75.82 40.22,67.77 39.31,66.86 39.31,58.87 41.42,56.76 41.42,48.26 36.82,43.66 RP11.7
Net-(U1-02): length 24.4
  Bottom w0.25: 137.02,69 141.79,64.23 141.79,58.34 145.51,54.62 U1.39
Net-(U1-R/~{W}): length 4.2
  Bottom w0.25: FB1.2 156.2,41.92 U1.34
Net-(U4-DIRC): length 36.4
  Top w0.25: v1(83.9,81.62) 83.9,81.6 82.55,80.25 v1(70.42,80.25) ; U4.17 88.02,91.79 v1(86.43,90.2)
  Bottom w0.25: v1(83.9,81.62) 84.17,81.89 84.17,87.93 86.43,90.19 v1(86.43,90.2) ; v1(70.42,80.25) 70.34,80.25 67.79,77.7 67.79,75.02 68.8,74.01 U8.9
Net-(U4-STEP): length 43.1
  Top w0.25: v1(70.88,81.53) 82.11,81.53 v1(83.45,82.87) ; U4.16 86.51,94.33 v1(86.36,94.18)
  Bottom w0.25: v1(83.45,82.87) 83.72,83.14 83.72,88.67 86.36,91.31 v1(86.36,94.18) ; U8.11 69.82,68.93 71.32,70.44 71.32,81.09 v1(70.88,81.53)
Net-(U4-WD): length 24.7
  Top w0.25: U8.3 86.55,66.39 v1(87.24,67.08)
  Bottom w0.25: U4.22 88.08,79.09 87.19,78.2 87.19,67.13 v1(87.24,67.08)
Net-(U4-WG): length 21.6
  Top w0.25: v1(86.36,71.69) 86.14,71.47 U8.5
  Bottom w0.25: U4.21 88.54,81.63 86.68,79.77 86.68,72.01 v1(86.36,71.69)
Net-(U5-PA3): length 160.8
  Top w0.25: -9.4,46.93 -4.12,46.93 4.74,55.79 29.9,55.79 31.73,57.62 35.41,57.62 36.5,56.53 46.19,56.53 48.18,54.54 60.62,54.54 61.77,55.69 63.44,55.69 64.19,54.94 110.63,54.94 113.02,52.55 126.92,52.55 v1(127.59,51.88)
  Bottom w0.25: v1(127.59,51.88) 127.59,54.54 127.6,54.55 127.6,64.76 129.2,66.36 U5.5
Net-(U5-PA4): length 163
  Top w0.25: -9.4,44.39 2.45,44.39 6.28,40.56 14.34,40.56 15.48,41.7 29.27,41.7 32.43,44.86 39.85,44.86 42.69,47.7 43.86,47.7 47.3,51.14 67.38,51.14 68.46,50.06 80.81,50.06 81.16,49.71 117.17,49.71 117.23,49.77 126.32,49.77 v1(126.42,49.87)
  Bottom w0.25: v1(126.42,49.87) 126.42,65.21 130.1,68.89 U5.6
Net-(U6B-E): length 91.9
  Top w0.25: R4.1 77.15,63.81 U8.2
  Bottom w0.25: U8.2 76.34,63.85 75.43,62.94 75.43,59.13 76.07,58.49 76.07,54.42 75.37,53.72 75.37,31.12 77.89,28.6 77.89,23.22 76.98,22.31 75.68,22.31 74.81,23.18 74.81,25.36 73.84,26.33 52.07,26.33 50.95,27.45 50.95,33.84 50.03,34.76 U6.15
Net-(U7-Pad4): length 25.5
  Bottom w0.25: U7.4 55.83,68.76 55.34,69.25 55.34,81.42 55.32,81.44 55.72,81.84 55.72,90.81 55.69,90.84 56.25,91.4 U9.2
Net-(U10-CP1..3): length 3.2
  Bottom w0.25: R9.1 160.86,80.92 U10.1
Net-(U10-Q0): length 19.9
  Top w0.25: FB3.1 146.82,81.49 146.82,76.76 148.86,74.72 151.53,74.72 U10.12
Net-(U10-Q3): length 4.8
  Bottom w0.25: FB5.2 155.86,66.99 153.24,69.61 U10.11
Net-(U11-Pad13): length 58.6
  Top w0.25: U7.8 51.31,76.38 52.58,75.11 63.03,75.11 63.06,75.14 v1(65.09,75.14) ; v1(66.53,36.23) U11.13
  Bottom w0.25: v1(66.53,36.23) 65.61,37.15 65.61,74.62 v1(65.09,75.14)
Net-(U12-Pad11): length 20.9
  Top w0.25: U12.11 61.23,96.59 60.06,97.76 52.4,97.76 51.14,99.02 U9.10
Net-(U12-Pad13): length 20.9
  Top w0.25: U12.13 59.63,91.51 58.49,92.65 53.64,92.65 52.35,93.94 U9.12
Net-(X1-OUT): length 14.1
  Bottom w0.25: X1.5 157.6,96.88 FB4.1
Net-(X1-Vcc): length 33.7
  Bottom w0.25: FB6.2 147.06,94.47 147.06,99.3 148.25,100.49 X1.8 153.59,104.6 C15.1 150.71,104.69 C14.1

## Text on the board
F.Silkscreen: UU - Drive 8 / DU - Drive 9 / UD - Drive 10 / DD - Drive 11 | LR | GRN | RED | CAT | ANO | Close for / WD1770 | GNDS | 5V | 12V | RESET / DATA / SCLK / ATN / GND / FCLK | L | R | Adapted by Steve J. Gray. 2024-02-07 | D0 | D1 | PC | 1581 | DEVICE# | DRV SEL. | LEDS | ROM SELECT | IEC | POWER | FLOPPY DRIVE | PIN34 | PIN2 | FL.POWER | EXT. PWR | C1581i DISK DRIVE
User.1: FRONT TRACES
User.2: BACK TRACES
